# Altium PCB main-board.PcbDoc (part 1 of 2) (continued)
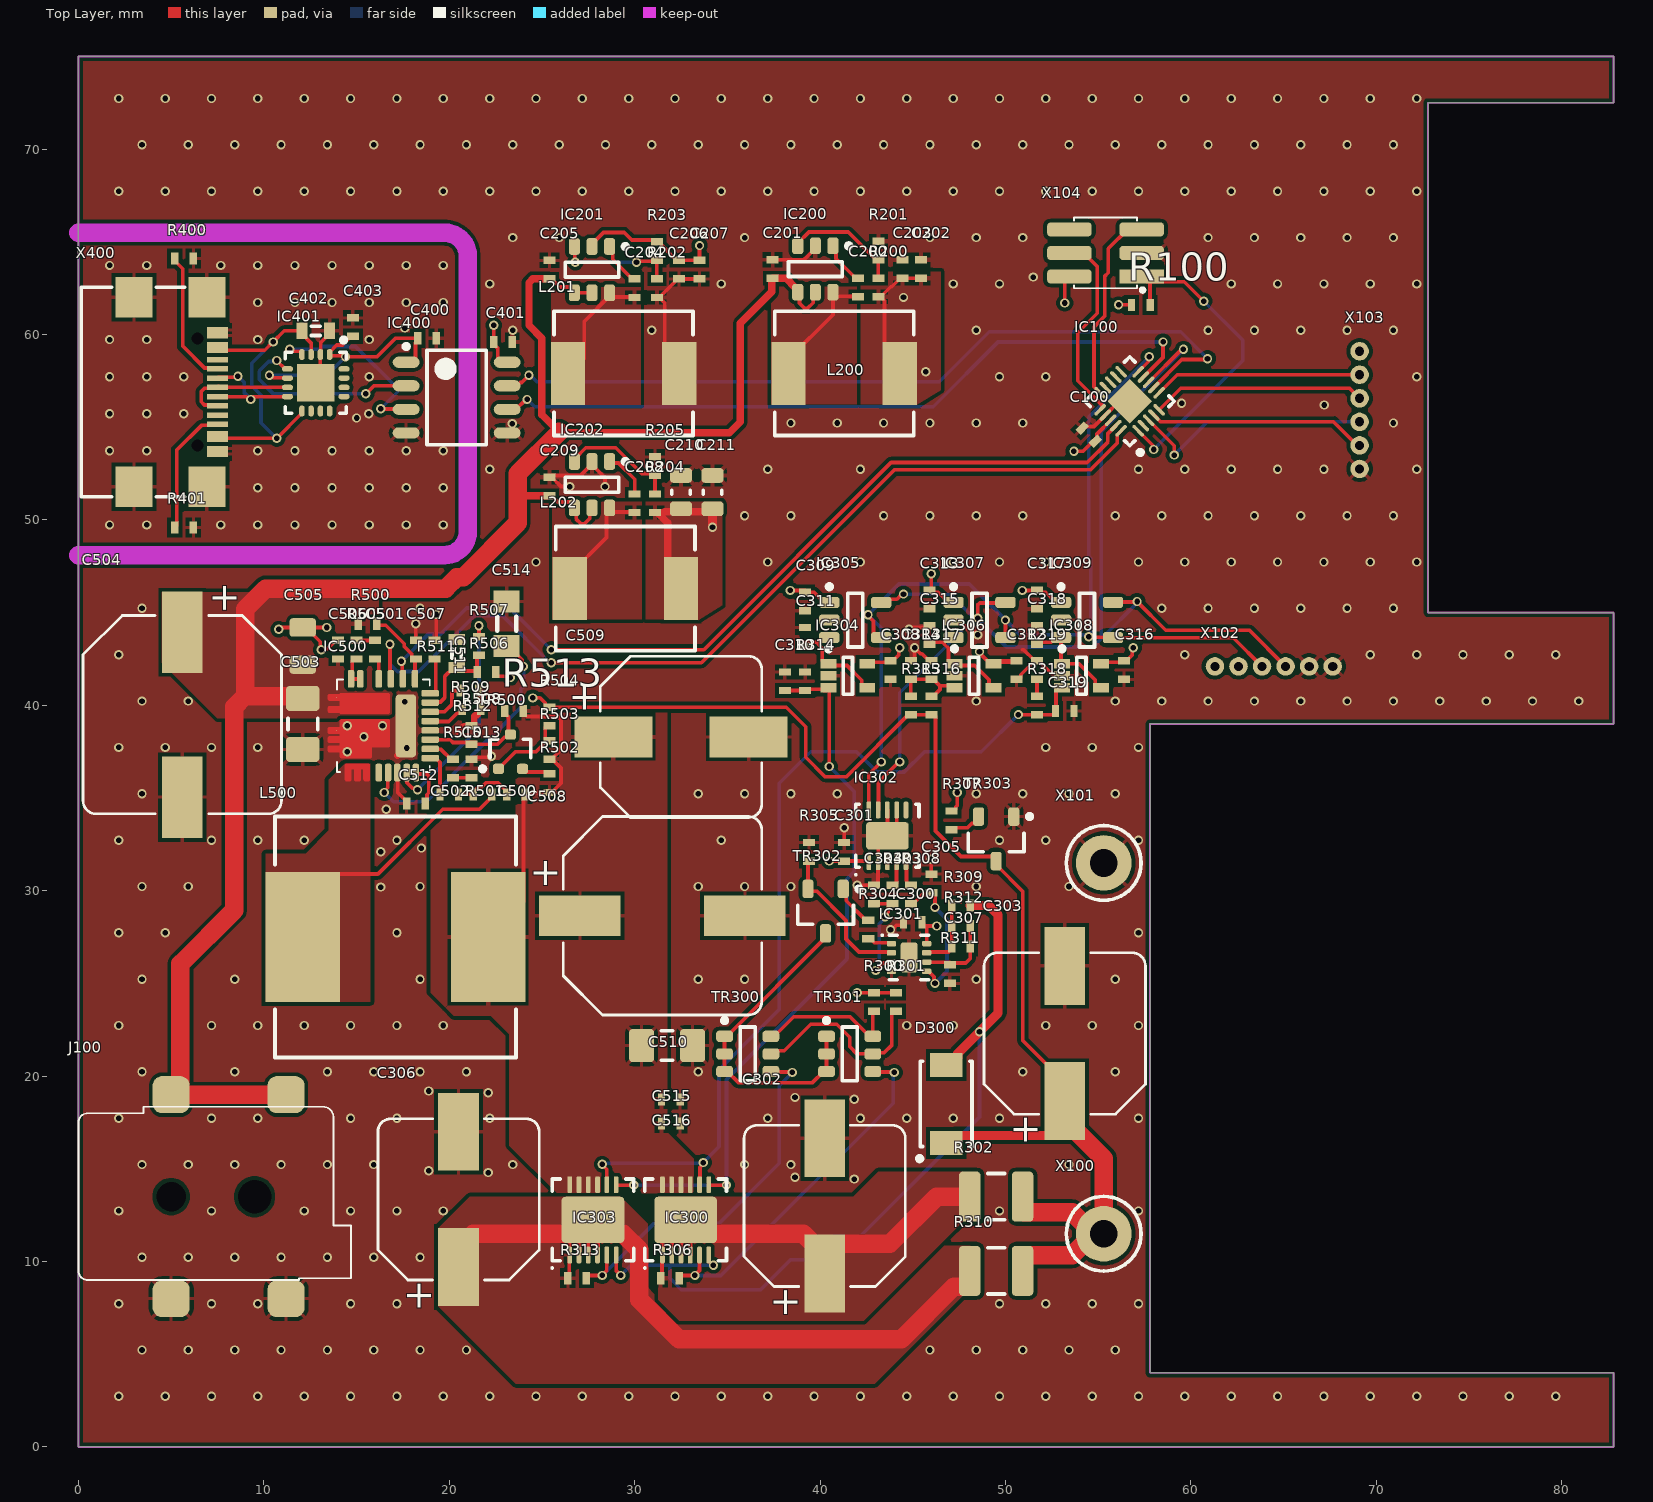
[diagram p0: Top Layer view]
## Design rules (kind name [scope] priority, off if disabled: settings)
Clearance [All] p1: gap=0.2 ignorepadtopadclearanceinfootprint=TRUE
PolygonConnect [All] p1: thpad.connectstyle=Relief thpad.reliefconductorwidth=0.2 thpad.reliefentries=4 thpad.polygonreliefangle="90 Angle" thpad.airgapwidth=0.2 thpad.conductorbypadedge=TRUE thpad.mindistance=0.381 thpad.enablemindistance=FALSE smdpad.connectstyle=Relief smdpad.reliefconductorwidth=0.2 smdpad.reliefentries=4 smdpad.polygonreliefangle="90 Angle" smdpad.airgapwidth=0.2 smdpad.conductorbypadedge=TRUE smdpad.mindistance=0.381 smdpad.enablemindistance=FALSE via.connectstyle=Direct via.reliefconductorwidth=0.254 via.reliefentries=4 via.polygonreliefangle="90 Angle" via.airgapwidth=0.254
RoutingVias [All] p1: holewidth=0.3 width=0.5 viastyle="Through Hole" minholewidth=0.3 minwidth=0.5 maxholewidth=0.3 maxwidth=0.5
SolderMaskExpansion [All] p1: expansion=0.05 istentingtop=FALSE
SupplyNets "Schematic Supply Nets_6" [InNet('GND_USB')] p1: voltage=0.000
SupplyNets "Schematic Supply Nets_5" [InNet('VBUS')] p2: voltage=0.000
SupplyNets "Schematic Supply Nets_3" [InNet('-5V')] p3: voltage=0.000
SupplyNets "Schematic Supply Nets_2" [InNet('+28')] p4: voltage=0.000
SupplyNets "Schematic Supply Nets_1" [InNet('GND')] p5: voltage=0.000
SupplyNets "Schematic Supply Nets" [InNet('5V')] p6: voltage=0.000
Width [All] p1: maxlimit=1 minlimit=0.15 preferedwidth=0.2
30 further rules are at their usual default settings.

## Classes and differential pairs
component class U_Adjustable_DCDC: C500 C501 C502 C503 C504 C505 C506 C507 C508 C509 C510 C511 C512 C513 C514 C515 C516 IC500 L500 R500 R501 R502 R503 R504 R505 R506 R507 R508 R509 R510 R511 R512 R513 TR500
component class U_USB: C400 C401 C402 C403 IC400 IC401 R400 R401 X400
component class U_DCDC_Converter: C200 C201 C202 C203 C204 C205 C206 C207 C208 C209 C210 C211 IC200 IC201 IC202 L200 L201 L202 R200 R201 R202 R203 R204 R205
component class Overview: C100 IC100 J100 R100 X100 X101 X102 X103 X104
component class U_OutputStage: C300 C301 C302 C303 C304 C305 C306 C307 C308 C309 C310 C311 C312 C313 C314 C315 C316 C317 C318 C319 D300 IC300 IC301 IC302 IC303 IC304 IC305 IC306 IC307 IC308 IC309 R300 R301 R302 R303 R304 R305 R306 R307 R308 R309 R310 R311 R312 R313 R314 R315 R316 R317 R318 R319 TR300 TR301 TR302 TR303

## Components (designator, comment, footprint, x,y, rotation, side; value= is the part's Value field where it differs from the comment)
C100 "100n" CAP0402 54.5,54.6 r315 top
C200 "100n" CAP0402 42.046,62.533 r90 top
C201 "100n" CAP0402 37.446,63.533 r90 top
C202 "10uF" CAP0402 45.446,63.533 r270 top
C203 "10uF" CAP0402 44.446,63.533 r270 top
C204 "100n" CAP0402 30,62.5 r90 top
C205 "100n" CAP0402 25.4,63.5 r90 top
C206 "10uF" CAP0402 32.4,63.5 r270 top
C207 "10uF" CAP0402 33.5,63.5 r270 top
C208 "100n" CAP0402 30,50.9 r90 top
C209 "100n" CAP0402 25.4,51.8 r90 top
C210 "10uF" CAP0603 32.5,51.5 r270 top
C211 "10uF" CAP0603 34.2,51.5 r270 top
C300 "100n" CAP0402 45,28.3 r0 top
C301 "100n" CAP0402 41.3,32.1 r270 top
C302 "47uF" CHEMICON_KOND_D8H10 40.25,13 r90 top
C303 "47uF" CHEMICON_KOND_D8H10 53.2,22.3 r90 top
C304 "100n" CAP0402 42.9,29.8 r90 top
C305 "100n" CAP0402 46,30.4 r90 top
C306 "47uF" CHEMICON_KOND_D8H10 20.5,13.35 r90 top
C307 "100n" CAP0402 47.6,27 r0 top
C308 "100n" CAP0402 43.8,41.9 r90 top
C309 "100n" CAP0402 39.2,45.6 r90 top
C310 "100n" CAP0402 38.1,41.3 r270 top
C311 "100n" CAP0402 39.2,43.7 r270 top
C312 "100n" CAP0402 50.6,41.9 r90 top
C313 "100n" CAP0402 45.9,45.7 r90 top
C314 "100n" CAP0402 44.9,41.9 r270 top
C315 "100n" CAP0402 45.9,43.8 r270 top
C316 "100n" CAP0402 56.4,41.9 r90 top
C317 "100n" CAP0402 51.7,45.7 r90 top
C318 "100n" CAP0402 51.7,43.8 r270 top
C319 "100n" CAP0402 53.2,39.7 r180 top
C400 "100n" CAP0402 18.8,59.8 r0 top
C401 "100n" CAP0402 22.9,59.6 r0 top
C402 "1u" 0603 12.8,60.2 r180 top
C403 "100n" CAP0402 14.8,60.4 r90 top
C500 "1.8nF" CAP0402 23.6,35.2 r0 top
C501 "100n" CAP0402 16,43 r90 top
C502 "2.2nF" CAP0402 20,35.2 r0 top
C503 "2.2uF" CAP1206 12.1,39 r90 top
C504 "100uF" CHEMICON_D10H10_JA0 5.6,39.5 r270 top
C505 "2.2uF" CAP0805 12.1,43.2 r270 top
C506 "0.1uF" CAP0402 14,43 r270 top
C507 "0.1uF" CAP0402 18.2,43 r270 top
C508 "100uF" CHEMICON_D10H10_JA0 31.5,28.65 r0 top
C509 "47uF" CHEMICON_KOND_D8H10 32.5,38.3 r0 top
C510 "2.2uF" CAP1206 31.75,21.65 r180 top
C511 "1u" 0603 20.4,42.8 r270 top
C512 "33nF" CAP0402 18.2,34.7 r0 top
C513 "470pF" CAP0402 21.2,36.6 r270 top
C514 "4u7F" 0805 23.1,44.4 r270 top
C515 "0.1uF" CAP0402 31.95,18.75 r180 top
C516 "0.1uF" CAP0402 31.95,17.45 r180 top
D300 "MBRAF440" SMAF 46.8,18.5 r90 top
IC100 "PIC18F16Q40-E/REB" QFN20_3X3(PIC18F16Q40) 56.7,56.4 r135 top
IC200 "LMR51606YDBVR" SOT95P245X120-6N 39.746,63.533 r270 top
IC201 "LMR51606YDBVR" SOT95P245X120-6N 27.7,63.5 r270 top
IC202 "LMR51606YDBVR" SOT95P245X120-6N 27.7,51.9 r270 top
IC300 "LT3081EDF#TRPBF" WSON12_4X4(LT3081) 32.75,12.25 r90 top
IC301 "OPA2990IDSGR" WSON8(DRV8210) 44.8,26.4 r0 top
IC302 "MCP47CVD22-E/MF" WSON10(MCP47CXDX1/2) 43.633,32.962 r90 top
IC303 "LT3081EDF#TRPBF" WSON12_4X4(LT3081) 27.75,12.25 r90 top
IC304 "MCP6541" SOT353/SC-70-5(MCP6541) 41.5,41.6 r0 top
IC305 "MCP3221A0T-E/OT" SOT23-5(MCP73831) 41.9,44.6 r0 top
IC306 "MCP6541" SOT353/SC-70-5(MCP6541) 48.3,41.6 r0 top
IC307 "MCP3221A1T-E/OT" SOT23-5(MCP73831) 48.6,44.6 r0 top
IC308 "MCP6541" SOT353/SC-70-5(MCP6541) 54.1,41.6 r0 top
IC309 "MCP3221A2T-E/OT" SOT23-5(MCP73831) 54.4,44.6 r0 top
IC400 "TPT7721-SO1R" SOIC127P600X135-8N(TPT7721) 20.4,56.6 r0 top
IC401 "CH343P" QFN16_3X3 12.8,57.4 r270 top
IC500 "SIC473ED-T1-GE3" VISCHAY_SiC47X 16.45,38.9 r270 top
J100 "54-00164" 54-00164 5,13.5 r0 top
L200 "SRP6540-470M" SRP6540 41.3,57.9 r0 top
L201 "SRP6540-470M" SRP6540 29.4,57.9 r0 top
L202 "SRP6540-470M" SRP6540 29.5,46.3 r0 top
L500 "SRR1208-100ML" SRR1208 17.1,27.5 r0 top
R100 "10K" RES0402 57.3,61.6 r180 top
R200 "RC0402FR-07100KL" RES0402 43.146,62.533 r270 top value=100K
R201 "RC0402FR-0719K1L" RES0402 43.146,64.533 r270 top value=19.1K
R202 "RC0402FR-07100KL" RES0402 31.2,62.5 r270 top value=100K
R203 "RC0402FR-0719K1L" RES0402 31.2,64.5 r270 top value=19.1K
R204 "RC0402FR-07100KL" RES0402 31.1,50.9 r270 top value=100K
R205 "RC0402FR-072K94L" RES0402 31.1,52.9 r270 top value=2.94K
R300 "RC0402FR-074K99L" RES0402 42.9,24 r90 top value=4.99K
R301 "RC0402FR-074K99L" RES0402 44.1,24 r90 top value=4.99K
R302 "RCWE1210R100FKEA" RES1210 49.5,13.5 r0 top value=0.1R
R303 "RC0402FR-071KL" RES0402 43.9,29.8 r270 top value=1K
R304 "RC0402FR-071KL" RES0402 42.6,27.9 r90 top value=1K
R305 "RC0402FR-078K66L" RES0402 39.4,32.1 r270 top value=8.66K
R306 "RC0402FR-07402RL" RES0402 31.9,9.1 r180 top value=402R
R307 "RC0402FR-07402RL" RES0402 47.1,33.8 r270 top value=402R
R308 "RC0402FR-071KL" RES0402 44.9,29.8 r270 top value=1K
R309 "RC0402FR-07100RL" RES0402 47.6,29.2 r0 top value=100R
R310 "RCWE1210R100FKEA" RES1210 49.5,9.5 r0 top value=0.1R
R311 "10K" RES0402 47,25.5 r90 top
R312 "RC0402FR-0740K2L" RES0402 47.6,28.1 r180 top value=40.2K
R313 "RC0402FR-07402RL" RES0402 26.9,9.1 r180 top value=402R
R314 "RC0402FR-074K99L" RES0402 39.2,41.3 r270 top value=4.99K
R315 "RC0402FR-079K09L" RES0402 44.9,40 r270 top value=9.09K
R316 "RC0402FR-07909KL" RES0402 46,40 r270 top value=909K
R317 "RC0402FR-071KL" RES0402 46,41.9 r270 top value=1K
R318 "RC0402FR-074K99L" RES0402 51.7,40 r270 top value=4.99K
R319 "10K" RES0402 51.7,41.9 r90 top
R400 "RC0402FR-074K99L" RES0402 5.7,64.1 r180 top value=4.99K
R401 "RC0402FR-074K99L" RES0402 5.7,49.6 r180 top value=4.99K
R500 "0R" RES0402 15.6,44.4 r0 top
R501 "RC0402FR-078K66L" RES0402 21.8,35.2 r0 top value=8K66
R502 "RC0402FR-071KL" RES0402 25.4,35.8 r270 top value=1K
R503 "RC0402FR-07100KL" RES0402 25.4,37.6 r270 top value=100K
R504 "RC0402FR-07100KL" RES0402 25.4,39.4 r90 top value=100K
R505 "RC0402FR-073R3L" RES0402 15,43 r270 top value=3.3R
R506 "0R" RES0402 22,41.8 r180 top
R507 "0R" RES0402 21.6,43.2 r90 top
R508 "RC0402FR-074K99L" RES0402 21.2,38.4 r270 top value=4.99K
R509 "RC0402FR-07100KL" RES0402 21.1,40.8 r180 top value=100K
R510 "RC0402FR-07232KL" RES0402 20.2,36.6 r90 top value=232K
R511 "0R" RES0402 19.2,43 r270 top
R512 "RC0402FR-07100KL" RES0402 21.2,39.8 r180 top value=100K
R513 "RC0402FR-07232KL" RES0402 23.5,39.7 r0 top value=232K
TR300 "DMMT5401-7-F" SOT95P245X120-6N 36.1,21.2 r0 top
TR301 "DMMT5401-7-F" SOT95P245X120-6N 41.6,21.2 r0 top
TR302 "BC846C" SOT23(IRLM2244T) 40.3,28.9 r270 top
TR303 "BC846C" SOT23(IRLM2244T) 49.5,32.8 r270 top
TR500 "MMBT3906WT1G" SOT323/SC-70(NX6008NBKW) 23.3,37.5 r90 top
X100 "CL1452" THT_SOLDER_POINT 55.3,11.5 r0 top locked
X101 "CL1450" THT_SOLDER_POINT 55.3,31.5 r0 top locked
X102 "3365A/06" 3M_CBL_RIBN_6X 61.3,42.1 r0 top
X103 "3365A/06" 3M_CBL_RIBN_6X 69.1,59.1 r270 top
X104 "20021121-00006C4LF" 20021121-00X06CXLF 55.4,64.4 r90 top
X400 "USB4110-GF-A" USB4110 7.5,56.9 r270 top

## Footprints (in the part's own frame and the unit in brackets; to place one, negate y for a bottom-side part, rotate by r counter-clockwise, add the part's x,y. Pads: shape width x height; smd on the part's side, far side on the other; paste and mask are expansions set on the pad)
3M_CBL_RIBN_6X [mm]
  round 1 hole 0.5: 1(0,0) 2(1.27,0) 3(2.54,0) 4(3.81,0) 5(5.08,0) 6(6.35,0)
54-00164 [mm]
  round 0 hole 1.6 unplated: 0(0,0)
  round 0 hole 1.8 unplated: 0(4.5,0)
  rrect50% 2x2 smd: 1(0,5.5) 1(6.2,5.5) 2(0,-5.5) 3(6.2,-5.5)
  silkscreen extent -5,-4.5 9.7,4.85, body extent -5,-6.2 9.7,6.2, height 11.01
0603 [mm]
  rect 0.6x0.9 smd: 1(-0.75,0) 2(0.75,0)
  silkscreen extent -0.25,-0.25 0.25,0.25, body extent -0.85,-0.45 0.85,0.45, height 0.55
0805 [mm]
  rect 1.2x1.4 smd: 1(-1.2,0) 2(1.2,0)
  silkscreen extent -0.38,-0.51 0.38,0.51, body extent -1,-0.6 1,0.6, height 0.7
20021121-00X06CXLF [mm]
  rect 0.76x2.4 smd: 1(-1.27,-1.95)
  rrect50% 0.76x2.4 smd: 2(-1.27,1.95) 3(0,-1.95) 4(0,1.95) 5(1.27,-1.95) 6(1.27,1.95)
  silkscreen extent -2.1,-2.1 1.91,1.7, body extent -1.91,-2.75 1.91,2.75, height 4.51
CAP0402 [mm] "Chip Capacitor, 2-Leads, Body 1.00x0.50mm, IPC Medium Density"
  rect 0.4x0.65 smd: 1(-0.5,0) 2(0.5,0)
  body extent -0.58,-0.33 0.58,0.33, height 0.65
CAP0603 [mm] "Chip Capacitor, 2-Leads, Body 1.60x0.80mm, IPC Medium Density"
  rrect50% 0.8x1.2 smd: 1(-0.9,0) 2(0.9,0)
  silkscreen extent -0.1,-0.5 0.1,0.5, body extent -0.9,-0.5 0.9,0.5, height 1
CAP0805 [mm] "Chip Capacitor, 2-Leads, Body 2.00x1.25mm, IPC Medium Density"
  rrect40% 1x1.45 smd: 1(-1,0) 2(1,0)
  body extent -1.1,-0.72 1.1,0.72, height 1.45
CAP1206 [mm] "Chip Capacitor, 2-Leads, Body 3.20x1.60mm, IPC Medium Density"
  rrect29% 1.35x1.8 smd: 1(-1.375,0) 2(1.375,0)
  silkscreen extent -0.3,-0.8 0.3,0.8, body extent -1.7,-0.9 1.7,0.9, height 1.8
CHEMICON_D10H10_JA0 [mm]
  rect 4.4x2.2 smd: 1(-4.45,0) 2(4.45,0)
  silkscreen extent -5.35,-5.35 5.35,5.35, body extent -5.5,-5.15 5.5,5.15, height 10
CHEMICON_KOND_D8H10 [mm]
  rect 4.2x2.2 smd: 1(-3.65,0) 2(3.65,0)
  silkscreen extent -4.35,-4.35 4.35,4.35, body extent -4.5,-4.15 4.5,4.15, height 10
QFN16_3X3 [mm] "QFN, 16-Leads, Body 3.00x3.00mm, Pitch 0.50mm, Thermal Pad 2.08x2.08mm, IPC Medium Density"
  oval 0.6x0.3 smd: 1(-1.525,0.75) 2(-1.525,0.25) 3(-1.525,-0.25) 4(-1.525,-0.75) 9(1.525,-0.75) 10(1.525,-0.25) 11(1.525,0.25) 12(1.525,0.75)
  oval 0.3x0.6 smd: 5(-0.75,-1.525) 6(-0.25,-1.525) 7(0.25,-1.525) 8(0.75,-1.525) 13(0.75,1.525) 14(0.25,1.525) 15(-0.25,1.525) 16(-0.75,1.525)
  rect 2x2 smd paste-1: 17(0,0)
  silkscreen extent -2.42,-1.65 1.65,1.65, body extent -1.5,-1.5 1.5,1.5, height 1
QFN20_3X3(PIC18F16Q40) [mm] "QFN, 20-Leads, Body 3.00x3.00mm, Pitch 0.40mm, Thermal Pad 1.70x1.70mm, IPC Medium Density"
  oval 0.8x0.2 smd: 1(-1.45,0.8) 2(-1.45,0.4) 3(-1.45,0) 4(-1.45,-0.4) 5(-1.45,-0.8) 11(1.45,-0.8) 12(1.45,-0.4) 13(1.45,0) 14(1.45,0.4) 15(1.45,0.8)
  oval 0.2x0.8 smd: 6(-0.8,-1.45) 7(-0.4,-1.45) 8(0,-1.45) 9(0.4,-1.45) 10(0.8,-1.45) 16(0.8,1.45) 17(0.4,1.45) 18(0,1.45) 19(-0.4,1.45) 20(-0.8,1.45)
  rect 1.7x1.7 smd: 21(0,0)
  silkscreen extent -2.47,-1.7 1.7,1.7, body extent -1.55,-1.55 1.55,1.55, height 0.9
RES0402 [mm] "Chip Resistor, 2-Leads, Body 1.00x0.50mm, IPC Medium Density"
  rect 0.4x0.65 smd: 1(-0.5,0) 2(0.5,0)
  body extent -0.55,-0.28 0.55,0.28, height 0.4
RES1210 [mm] "Chip Resistor, 2-Leads, Body 3.10x2.50mm, IPC Medium Density"
  rrect34% 1.15x2.7 smd: 1(-1.425,0) 2(1.425,0)
  silkscreen extent -0.45,-1.25 0.45,1.25, body extent -1.65,-1.35 1.65,1.35, height 0.7
SMAF [mm] "SODFL, 2-Leads, Body 2.60x5.10mm, IPC Medium Density"
  rect 1.3x1.75 smd: 1(-2.1,0) 2(2.1,0)
  silkscreen extent -3.07,-1.4 2.3,1.55, body extent -2.55,-1.4 2.55,1.4, height 1.1
SOIC127P600X135-8N(TPT7721) [mm] "SOIC, 8-Leads, Body 4.90x3.90mm, Pitch 1.27mm, IPC Medium Density"
  oval 1.45x0.6 smd: 1(-2.725,1.905) 2(-2.725,0.635) 3(-2.725,-0.635) 4(-2.725,-1.905) 5(2.725,-1.905) 6(2.725,-0.635) 7(2.725,0.635) 8(2.725,1.905)
  silkscreen extent -2.85,-2.55 1.6,2.88, body extent -3,-2.55 3,2.55, height 1.75
SOT23(IRLM2244T) [mm] "SOT23, 3-Leads, Body 2.92x2.37mm, Pitch 0.95mm, IPC Medium Density"
  rrect50% 1x0.6 smd: 1(-1.2,0.95) 2(-1.2,-0.95) 3(1.2,0)
  silkscreen extent -1.32,-1.5 0.7,1.93, body extent -1.32,-1.52 1.32,1.52, height 1.12
SOT23-5(MCP73831) [mm] "SOT23, 5-Leads, Body 2.90x2.80mm, Pitch 0.95mm, IPC Medium Density"
  rrect50% 1.1x0.6 smd: 1(-1.4,0.95) 2(-1.4,0) 3(-1.4,-0.95) 4(1.4,-0.95) 5(1.4,0.95)
  silkscreen extent -1.52,-1.45 0.4,1.92, body extent -1.4,-1.45 1.4,1.45, height 1.45
SOT95P245X120-6N [mm] "SOT23, 6-Leads, Body 2.90x2.45mm, Pitch 0.95mm, IPC Medium Density"
  rrect50% 0.9x0.6 smd: 1(-1.25,0.95) 2(-1.25,0) 3(-1.25,-0.95) 4(1.25,-0.95) 5(1.25,0) 6(1.25,0.95)
  silkscreen extent -1.37,-1.45 0.4,1.93, body extent -1.29,-1.45 1.29,1.45, height 1.2
SOT323/SC-70(NX6008NBKW) [mm] "SOT23, 3-Leads, Body 2.00x2.10mm, Pitch 0.65mm, IPC Medium Density"
  rrect50% 0.55x0.6 smd: 1(-0.925,0.65) 2(-0.925,-0.65) 3(0.925,0)
  silkscreen extent -1.05,-1.1 0.67,1.62, body extent -1.15,-1.1 1.15,1.1, height 1.1
SOT353/SC-70-5(MCP6541) [mm] "SOT23, 5-Leads, Body 2.00x2.10mm, Pitch 0.65mm, IPC Medium Density"
  rect 0.85x0.5 smd: 1(-1.05,0.65) 2(-1.05,0) 3(-1.05,-0.65) 4(1.05,-0.65) 5(1.05,0.65)
  silkscreen extent -1.17,-1 0.25,1.57, body extent -1.15,-1 1.15,1, height 1.1
SRP6540 [mm] "Precision Wire Wound Inductor, 2-Leads, Body 7.20x6.50mm, IPC Medium Density"
  rect 1.85x3.4 smd: 1(-3,0) 2(3,0)
  silkscreen extent -3.75,-3.35 3.75,3.35, body extent -3.59,-3.25 3.59,3.25, height 4
SRR1208 [mm] "Precision Wire Wound Inductor, 2-Leads, Body 12.70x12.70mm, IPC Medium Density"
  rect 4x7 smd: 1(-5,0) 2(5,0)
  silkscreen extent -6.5,-6.5 6.5,6.5, body extent -6.35,-6.35 6.35,6.35, height 8.51
THT_SOLDER_POINT [mm]
  round 3 hole 1.5: 1(0,0)
  silkscreen extent -2.02,-2.02 2.02,2.02
USB4110 [mm] "USB Type C Receptacle for USB 2.0"
  round 0 hole 0.65 unplated: 0(-2.89,-1.075) 0(2.89,-1.075)
  rect 0.3x1.15 smd: A1(-3.35,0) A4(-2.55,0) A5(-1.25,0) A6(-0.25,0) A7(0.25,0) A8(1.25,0) A9(2.55,0) A12(3.35,0) B1(3.05,0) B4(2.25,0) B5(1.75,0) B6(0.75,0) B7(-0.75,0) B8(-1.75,0) B9(-2.25,0) B12(-3.05,0)
  rect 2.18x2 smd: SHELL(-5.11,-0.575) SHELL(-5.11,-4.505) SHELL(5.11,-0.575) SHELL(5.11,-4.505)
  silkscreen extent -5.65,-7.35 5.65,-1.78, body extent -5.65,-7.35 5.65,0.35, height 3.26
VISCHAY_SiC47X [mm]
  rrect50% 0.95x0.35 smd: 1(-2.525,1.702) 2(-2.525,1.052) 3(-2.525,0.402) 4(-2.525,-0.248) 5(-2.525,-1.248) 6(-2.525,-1.748) 15(2.525,-0.248) 16(2.525,0.252) 17(2.525,0.752) 18(2.525,1.252) 19(2.525,1.752)
  round 0.025 smd: 7(-1.527,-2.525) 9(0.253,-2.525) 12(2.676,-1.9)
  rrect50% 0.35x0.95 smd: 20(1.75,2.525) 21(1.25,2.525) 22(0.75,2.525) 23(0.25,2.525) 24(-0.25,2.525) 25(-0.75,2.525) 26(-1.25,2.525) 27(-1.75,2.525)
  rrect36% 3.4x1.1 smd: 28(0.005,1.209)
  Top Layer region: 0.078,-2.35 0.078,-2.895 0.083,-2.935 0.107,-2.97 0.141,-2.993 0.182,-3.001 0.182,-3.001 0.324,-3.001 0.365,-2.993 0.4,-2.97 0.423,-2.935 0.431,-2.895 0.431,-2.895 0.431,-2.35 0.578,-2.35 0.578,-2.895 0.583,-2.933 0.605,-2.965 0.637,-2.987 0.675,-2.995 0.675,-2.995 0.831,-2.995 0.869,-2.987 0.902,-2.965 0.923,-2.933 0.931,-2.895 0.931,-2.895 0.931,-2.35 1.078,-2.35 1.078,-2.895 1.083,-2.933 1.105,-2.965 1.137,-2.987 1.176,-2.995 1.176,-2.995 1.331,-2.995 1.369,-2.987 1.402,-2.965 1.424,-2.933 1.431,-2.895 1.431,-2.895 1.431,-2.35 1.645,-2.35 1.683,-2.342 1.716,-2.32 1.738,-2.288 1.745,-2.25 1.745,-2.25 1.745,-0.72 1.738,-0.681 1.716,-0.649 1.683,-0.627 1.645,-0.62 1.645,-0.62 1.165,-0.62 1.165,0.25 1.158,0.289 1.136,0.321 1.103,0.343 1.065,0.35 1.065,0.35 -0.255,0.35 -0.293,0.343 -0.326,0.321 -0.347,0.289 -0.355,0.25 -0.355,0.25 -0.355,-2.25 -0.347,-2.288 -0.326,-2.32 -0.293,-2.342 -0.255,-2.35 -0.255,-2.35
  Top Layer region: -1.702,-2.895 -1.695,-2.933 -1.673,-2.965 -1.641,-2.987 -1.602,-2.995 -1.602,-2.995 -1.452,-2.995 -1.414,-2.987 -1.382,-2.965 -1.36,-2.933 -1.352,-2.895 -1.352,-2.895 -1.352,-2.352 -1.052,-2.352 -1.052,-2.895 -1.045,-2.933 -1.023,-2.965 -0.991,-2.987 -0.952,-2.995 -0.952,-2.995 -0.802,-2.995 -0.764,-2.987 -0.732,-2.965 -0.71,-2.933 -0.702,-2.895 -0.702,-2.895 -0.702,-2.352 -0.683,-2.348 -0.667,-2.337 -0.656,-2.321 -0.652,-2.302 -0.652,-2.302 -0.652,0.248 -0.66,0.287 -0.682,0.319 -0.714,0.341 -0.752,0.348 -0.752,0.348 -1.652,0.348 -1.691,0.341 -1.723,0.319 -1.745,0.287 -1.752,0.248 -1.752,0.248 -1.752,-2.302 -1.749,-2.321 -1.738,-2.337 -1.721,-2.348 -1.702,-2.352 -1.702,-2.352
  Top Layer region: 2.895,-2.075 2.933,-2.067 2.965,-2.046 2.987,-2.013 2.995,-1.975 2.995,-1.975 2.995,-1.825 2.987,-1.787 2.965,-1.754 2.933,-1.733 2.895,-1.725 2.895,-1.725 2.345,-1.725 2.345,-1.575 2.895,-1.575 2.933,-1.567 2.965,-1.546 2.987,-1.513 2.995,-1.475 2.995,-1.475 2.995,-1.325 2.987,-1.287 2.965,-1.254 2.933,-1.233 2.895,-1.225 2.895,-1.225 2.345,-1.225 2.345,-1.075 2.895,-1.075 2.933,-1.067 2.965,-1.046 2.987,-1.013 2.995,-0.975 2.995,-0.975 2.995,-0.825 2.987,-0.787 2.965,-0.754 2.933,-0.733 2.895,-0.725 2.895,-0.725 2.145,-0.725 2.106,-0.733 2.074,-0.754 2.052,-0.787 2.045,-0.825 2.045,-0.825 2.045,-1.975 2.052,-2.013 2.074,-2.046 2.106,-2.067 2.145,-2.075 2.145,-2.075
  silkscreen extent -2.5,-2.5 2.5,2.5, body extent -2.5,-2.5 2.5,2.5, height 1
WSON8(DRV8210) [mm] "SON, 8-Leads, Body 2.00x2.00mm, Pitch 0.50mm, Thermal Pad 1.60x0.69mm, IPC Medium Density"
  rrect50% 0.5x0.3 smd: 1(-0.95,0.75) 2(-0.95,0.25) 3(-0.95,-0.25) 4(-0.95,-0.75) 5(0.95,-0.75) 6(0.95,-0.25) 7(0.95,0.25) 8(0.95,0.75)
  rrect25% 0.9x1.6 smd paste-2539.97: 9(0,0)
  silkscreen extent -1.5,-1.2 1.05,1.25, body extent -1.05,-1.05 1.05,1.05, height 0.8
WSON10(MCP47CXDX1/2) [mm] "SON, 10-Leads, Body 3.00x3.00mm, Pitch 0.50mm, Thermal Pad 2.30x1.49mm, IPC Medium Density"
  rrect50% 0.9x0.25 smd: 1(-1.395,1) 2(-1.395,0.5) 3(-1.395,0) 4(-1.395,-0.5) 5(-1.395,-1) 6(1.395,-1) 7(1.395,-0.5) 8(1.395,0) 9(1.395,0.5) 10(1.395,1)
  rrect25% 1.49x2.3 smd paste-2539.97: 11(0,0)
  silkscreen extent -2.15,-1.7 1.7,1.75, body extent -1.55,-1.55 1.55,1.55, height 1
WSON12_4X4(LT3081) [mm] "SON, 12-Leads, Body 4.00x4.00mm, Pitch 0.50mm, Thermal Pad 3.38x2.49mm, IPC Medium Density"
  rrect50% 0.9x0.25 smd: 1(-1.895,1.25) 2(-1.895,0.75) 3(-1.895,0.25) 4(-1.895,-0.25) 5(-1.895,-0.75) 6(-1.895,-1.25) 7(1.895,-1.25) 8(1.895,-0.75) 9(1.895,-0.25) 10(1.895,0.25) 11(1.895,0.75) 12(1.895,1.25)
  rrect16% 2.49x3.38 smd paste-2539.97: 13(0,0)
  silkscreen extent -2.65,-2.2 2.2,2.25, body extent -2.05,-2.05 2.05,2.05, height 0.8

## Part data
C100 C200 C201 C204 C205 C208 C209 C300 C301 C304 C305 C307 C308 C309 C310 C311 C312 C313 C314 C315 C316 C317 C318 C319 C400 C401 C403 C501: library part CL05A104KA5NNNC, MaxVoltage=25V, Tolerance=10%, Dialectric=X5R, MPN=CL05A104KA5NNNC
C202 C203 C206 C207: library part GRM155R61A106ME11D, MaxVoltage=50V, MPN=CC0402KRX7R9BB222
C210 C211: library part GRM188R6YA106MA73D, MaxVoltage=10V, MPN=CL05A475MP5NRNC, Tolerance=20%, Dialectric=X5R
C302 C303 C306 C509: library part HHXC500ARA470MHA0G, MaxVoltage=50V, MPN=HHXC500ARA470MHA0G
C402 C511: library part 000088, Component Type=Standard, ComponentLink1Description=Datasheet, ComponentLink2Description="Manufacturer Site", Part Number=000088
C500: library part CC0402KPX7R9BB182, MaxVoltage=50V, MPN=CC0402KPX7R9BB182
C502: library part CC0402KRX7R9BB222, MaxVoltage=50V, MPN=CC0402KRX7R9BB222
C503 C510: library part CL31B225KCHSNNE, MaxVoltage=100V, MPN=CL31B225KCHSNNE
C504 C508: library part EMVE630ARA101MJA0G, MaxVoltage=63V, MPN=EMVE630ARA101MJA0G
C505: library part GRM21BD72A225ME01K, "0805", MaxVoltage=100V, MPN=GRM21BD72A225ME01K
C506 C507 C515 C516: library part GRM155R62A104KE14D, "0805", MaxVoltage=100V, MPN=GRM155R62A104KE14D
C512: library part C0402C333K4RECTU, MaxVoltage=16, MPN=C0402C333K4RECTU
C513: library part CL05B471KB5NNNC, MaxVoltage=50V, MPN=CL05B471KB5NNNC
C514: library part 000090, MPN=CL21A475KOFNNNE, Component Type=Standard, ComponentLink1Description=Datasheet, ComponentLink2Description="Manufacturer Site", Digikey Number=1276-1065-1-ND, Part Number=000090
IC301: "Replacment for LM358D", ComponentLink1Description=Datasheet, ComponentLink1URL=https://www.ti.com/lit/ds/symlink/opa2990.pdf?HQS=dis-dk-null-digikeymode-dsf-pf-null-wwe&ts=1774018374396&ref_url=https%253A%252F%252Fwww.ti.com%252Fgeneral%252Fdocs%252Fsuppproductinfo.tsp%253FdistId%253D10%2526gotoUrl%253Dhttps%253A%252F%252Fwww.ti.com%252Flit%252Fgpn%252Fopa2990, MPN=OPA2990IDSGR
IC304 IC306 IC308: MPN=MCP6541UT-I/LT
IC401: JLCPCB Part #=C2846043, Manufacturer=WCH, Manufacturer Partnummber=CH343P, MPN=CH343P
R100 R311 R319: library part RC0402JR-0710KL, Power=0.063W, Tolerance=5%, MPN=RC0402JR-0710KL
R500 R506 R507 R511: library part RES_0402, MPN=RC0402JR-070RL
X104: JLCPCB Part #=C178291, Manufacturer="Amphenol ICC (FCI)", Manufacturer Partnummber=20021121-00006C4LF, MPN=20021121-00006C4LF
D300: Component Type=Standard, Digikey Number=MBRAF440T3GOSCT-ND, MPN=MBRAF440, Part Number=MBRAF440
IC200 IC201 IC202: MPN=LMR51606YDBVR
IC300 IC303: MPN=LT3081EDF#TRPBF
IC302: MPN=MCP47CVD22-E/MF
IC305: MPN=MCP3221A0T-E/OT
IC307: MPN=MCP3221A1T-E/OT
IC309: MPN=MCP3221A2T-E/OT
IC500: MPN=SIC473ED-T1-GE3
J100: MPN=54-00164
L200 L201 L202: MPN=SRP6540-470M
L500: MPN=SRR1208-100ML
R200 R202 R204 R503 R504 R509 R512: MPN=RC0402FR-07100KL
R201 R203: MPN=RC0402FR-0719K1L
R205: MPN=RC0402FR-072K94L
R300 R301 R314 R318 R400 R401 R508: MPN=RC0402FR-074K99L
R302 R310: MPN=RCWE1210R100FKEA
R303 R304 R308 R317 R502: MPN=RC0402FR-071KL
R305 R501: MPN=RC0402FR-078K66L
R306 R307 R313: MPN=RC0402FR-07402RL
R309: MPN=RC0402FR-07100RL
R312: MPN=RC0402FR-0740K2L
R315: MPN=RC0402FR-079K09L
R316: MPN=RC0402FR-07909KL
R505: MPN=RC0402FR-073R3L
R510 R513: MPN=RC0402FR-07232KL
TR300 TR301: MPN=DMMT5401-7-F
TR302 TR303: MPN=BC846C
X100: MPN=CL1452
X101: MPN=CL1450
X102 X103: MPN=3365A/06
X400: MPN=USB4110-GF-A

## Via types
v1: diameter 0.5, hole 0.3, Top Layer to Bottom Layer, tented both sides, 504 vias
v2: diameter 0.5, hole 0.3, Top Layer to Bottom Layer, 4 vias

## Nets (pads, with @x,y where several pads share a name; then routed paths per layer and width w, separated by ;. In a path a pad name is that pad's centre, name@x,y a point inside that pad or via, vN(x,y) a via of type N, cw(c..) or ccw(c..) an arc to the next point about the centre after c; other vN are vias at no path point)
5V: C100.2 C202.2 C203.2 C301.2 C308.2 C309.2 C312.2 C313.2 C316.2 C317.2 C401.1 IC100.18 IC302.1 IC304.5 IC305.1 IC306.5 IC307.1 IC308.5 IC309.1 IC400.8 L200.2 R100.2 R200.2 R506.1 X102.1 X102.2 X103.1 X104.2 | length 32.9
  Top Layer w0.2: v1(22.4,60.5) C401.1@22.4,59.6 22.4,59.475 22.623,59.252 22.623,58.69 22.808,58.505 IC400.8@23.125,58.505 ; R506.1@22.5,41.8 22.5,41.675 22.6,41.575 23.144,41.575 23.219,41.5 v1(23.3,41.5) ; v1(38.4,46.2) 39.2,46.2 39.3,46.1 39.673,46.1 40.223,45.55 IC305.1@40.5,45.55 ; v1(40.5,31.6) 41.175,31.6 C301.2@41.3,31.6 42.608,31.6 42.633,31.575 IC302.1@42.633,31.567 ; IC304.5@42.55,42.25 42.625,42.325 43.725,42.325 C308.2@43.8,42.4 43.925,42.4 44.243,42.718 44.243,43.043 v1(44.3,43.1) ; R200.2@43.146,62.033 R200.2@43.271,62.033 ; L200.2@44.3,57.9 43.475,58.725 43.475,61.829 R200.2@43.271,62.033 ; C202.2@45.446,63.033 44.321,63.033 43.862,62.574 43.812,62.574 R200.2@43.271,62.033 ; v1(46,47.1) 46,46.3 C313.2@45.9,46.2 46,46.1 46.373,46.1 46.923,45.55 IC307.1@47.2,45.55 ; v1(48.6,42.9) 48.6,42.825 49.137,42.288 IC306.5@49.387,42.288 ; IC306.5@49.35,42.25 49.425,42.325 50.525,42.325 C312.2@50.6,42.4 49.8,42.4 ; v1(50.9,46.2) C317.2@51.7,46.2 51.8,46.1 52.173,46.1 52.723,45.55 IC309.1@53,45.55 ; v1(53.2,61.7) 53.2,62.88 X104.2@53.45,63.13 ; v1(53.694,53.7) 54.181,53.7 54.942,54.461 54.942,54.642 IC100.18@55.675,55.375 ; IC308.5@55.15,42.25 55.225,42.325 56.325,42.325 C316.2@56.4,42.4 56.525,42.4 56.843,42.718 56.843,43.043 v1(56.9,43.1) ; v1(56.1,61.6) R100.2@56.8,61.6
  other v1: 45.7,58 44.5,62
+28: C210.2 C211.2 C300.2 IC301.8 L202.2 R204.2 R300.2 R301.2 | length 48
  Top Layer w0.2: v1(42,24.5) R300.2@42.9,24.5 R301.2@44.1,24.5 ; C300.2@45.5,28.3 45.6,28.2 45.6,28.1 v1(46.3,28.1) ; C300.2@45.65,28.15 45.75,28.05 IC301.8@45.75,27.15
  Top Layer w0.4: R204.2@31.1,50.4 31.575,50.4 31.625,50.45 34.05,50.45 C211.2@34.2,50.6 ; R204.2@31.225,50.4 31.775,49.85 31.775,47.025 L202.2@32.5,46.3
  Top Layer w0.5: v1(34.2,49.6) C211.2@34.2,50.6
  Int2 (PWR) w0.5: v1(34.2,49.6) 34.2,45.2 37.7,41.7 37.7,28.3 40.3,25.7 40.8,25.7 ; v1(42,24.5) 40.8,25.7 ; v1(46.3,28.1) 45.3,27.1 45.3,27.093 45.007,26.8 41.9,26.8 40.8,25.7
-5V: C206.1 C207.1 IC201.2 R203.1 R307.1 | length 44.1
  Top Layer w0.2: IC201.2@27.7,64.75 27.7,64.886 28.314,65.5 29.444,65.5 29.844,65.1 31.1,65.1 R203.1@31.2,65 31.325,65 31.425,64.9 31.425,64.85 32.275,64 C206.1@32.4,64 C207.1@33.5,64 v1(33.5,64.8) ; R307.1@47.1,34.3 47.225,34.3 47.325,34.4 47.325,34.525 47.4,34.6 v1(47.4,35.3)
  Int2 (PWR) w0.2: v1(33.5,64.8) 33.5,58.5 47.4,44.6 v1(47.4,35.3)
BTN_EN: IC100.3 X103.4 | length 13.2
  Top Layer w0.2: IC100.3@57.725,55.375 59.1,54 v1(59.1,53.5)
  Bottom Layer w0.2: v1(59.1,53.5) 60.89,55.29 X103.4@69.1,55.29
CH434_3V3: C400.1 C403.1 IC400.1 IC401.1 IC401.6 | length 14.3
  Top Layer w0.2: v1(10.3,57.8) 10.381,57.8 10.512,57.669 11.256,57.669 IC401.6@11.275,57.65 ; C403.1@14.8,59.9 14.675,59.9 14.26,59.485 14.26,59.435 13.937,59.435 13.55,59.048 IC401.1@13.55,58.925 13.55,58.904 13.596,58.857 14.343,58.857 v1(14.4,58.8) 16.1,58.8 17.1,59.8 C400.1@18.3,59.8 18.3,59.675 18.177,59.552 18.177,58.69 17.992,58.505 IC400.1@17.675,58.505
  Bottom Layer w0.2: v1(10.3,57.8) 13.4,57.8 v1(14.4,58.8)
EN_OUT: IC100.20 IC500.3 | length 50.3
  Top Layer w0.2: v1(16.8,43.3) 16.8,41.477 IC500.3@16.852,41.425 ; v1(25.5,42.3) 33.6,42.3 44,52.7 54.58,52.7 56.028,54.148 56.028,54.597 IC100.20@56.24,54.809
  Bottom Layer w0.2: v1(16.8,43.3) 16.8,42.222 17.193,41.829 18.351,41.829 21.372,44.85 22.872,44.85 25.422,42.3 v1(25.5,42.3)